# Altium PCB mach PCB.PcbDoc (part 3 of 6)
Units mm, origin at the board's own origin, x right, y up, seen from the top; angles counter-clockwise.
Board outline 300.6 x 300.64 mm, 2 copper layers (Top Layer, Bottom Layer); 688 components, 737 nets, 3205 pads, 25 vias.
Unrouted connection lines stored in the file: 1.
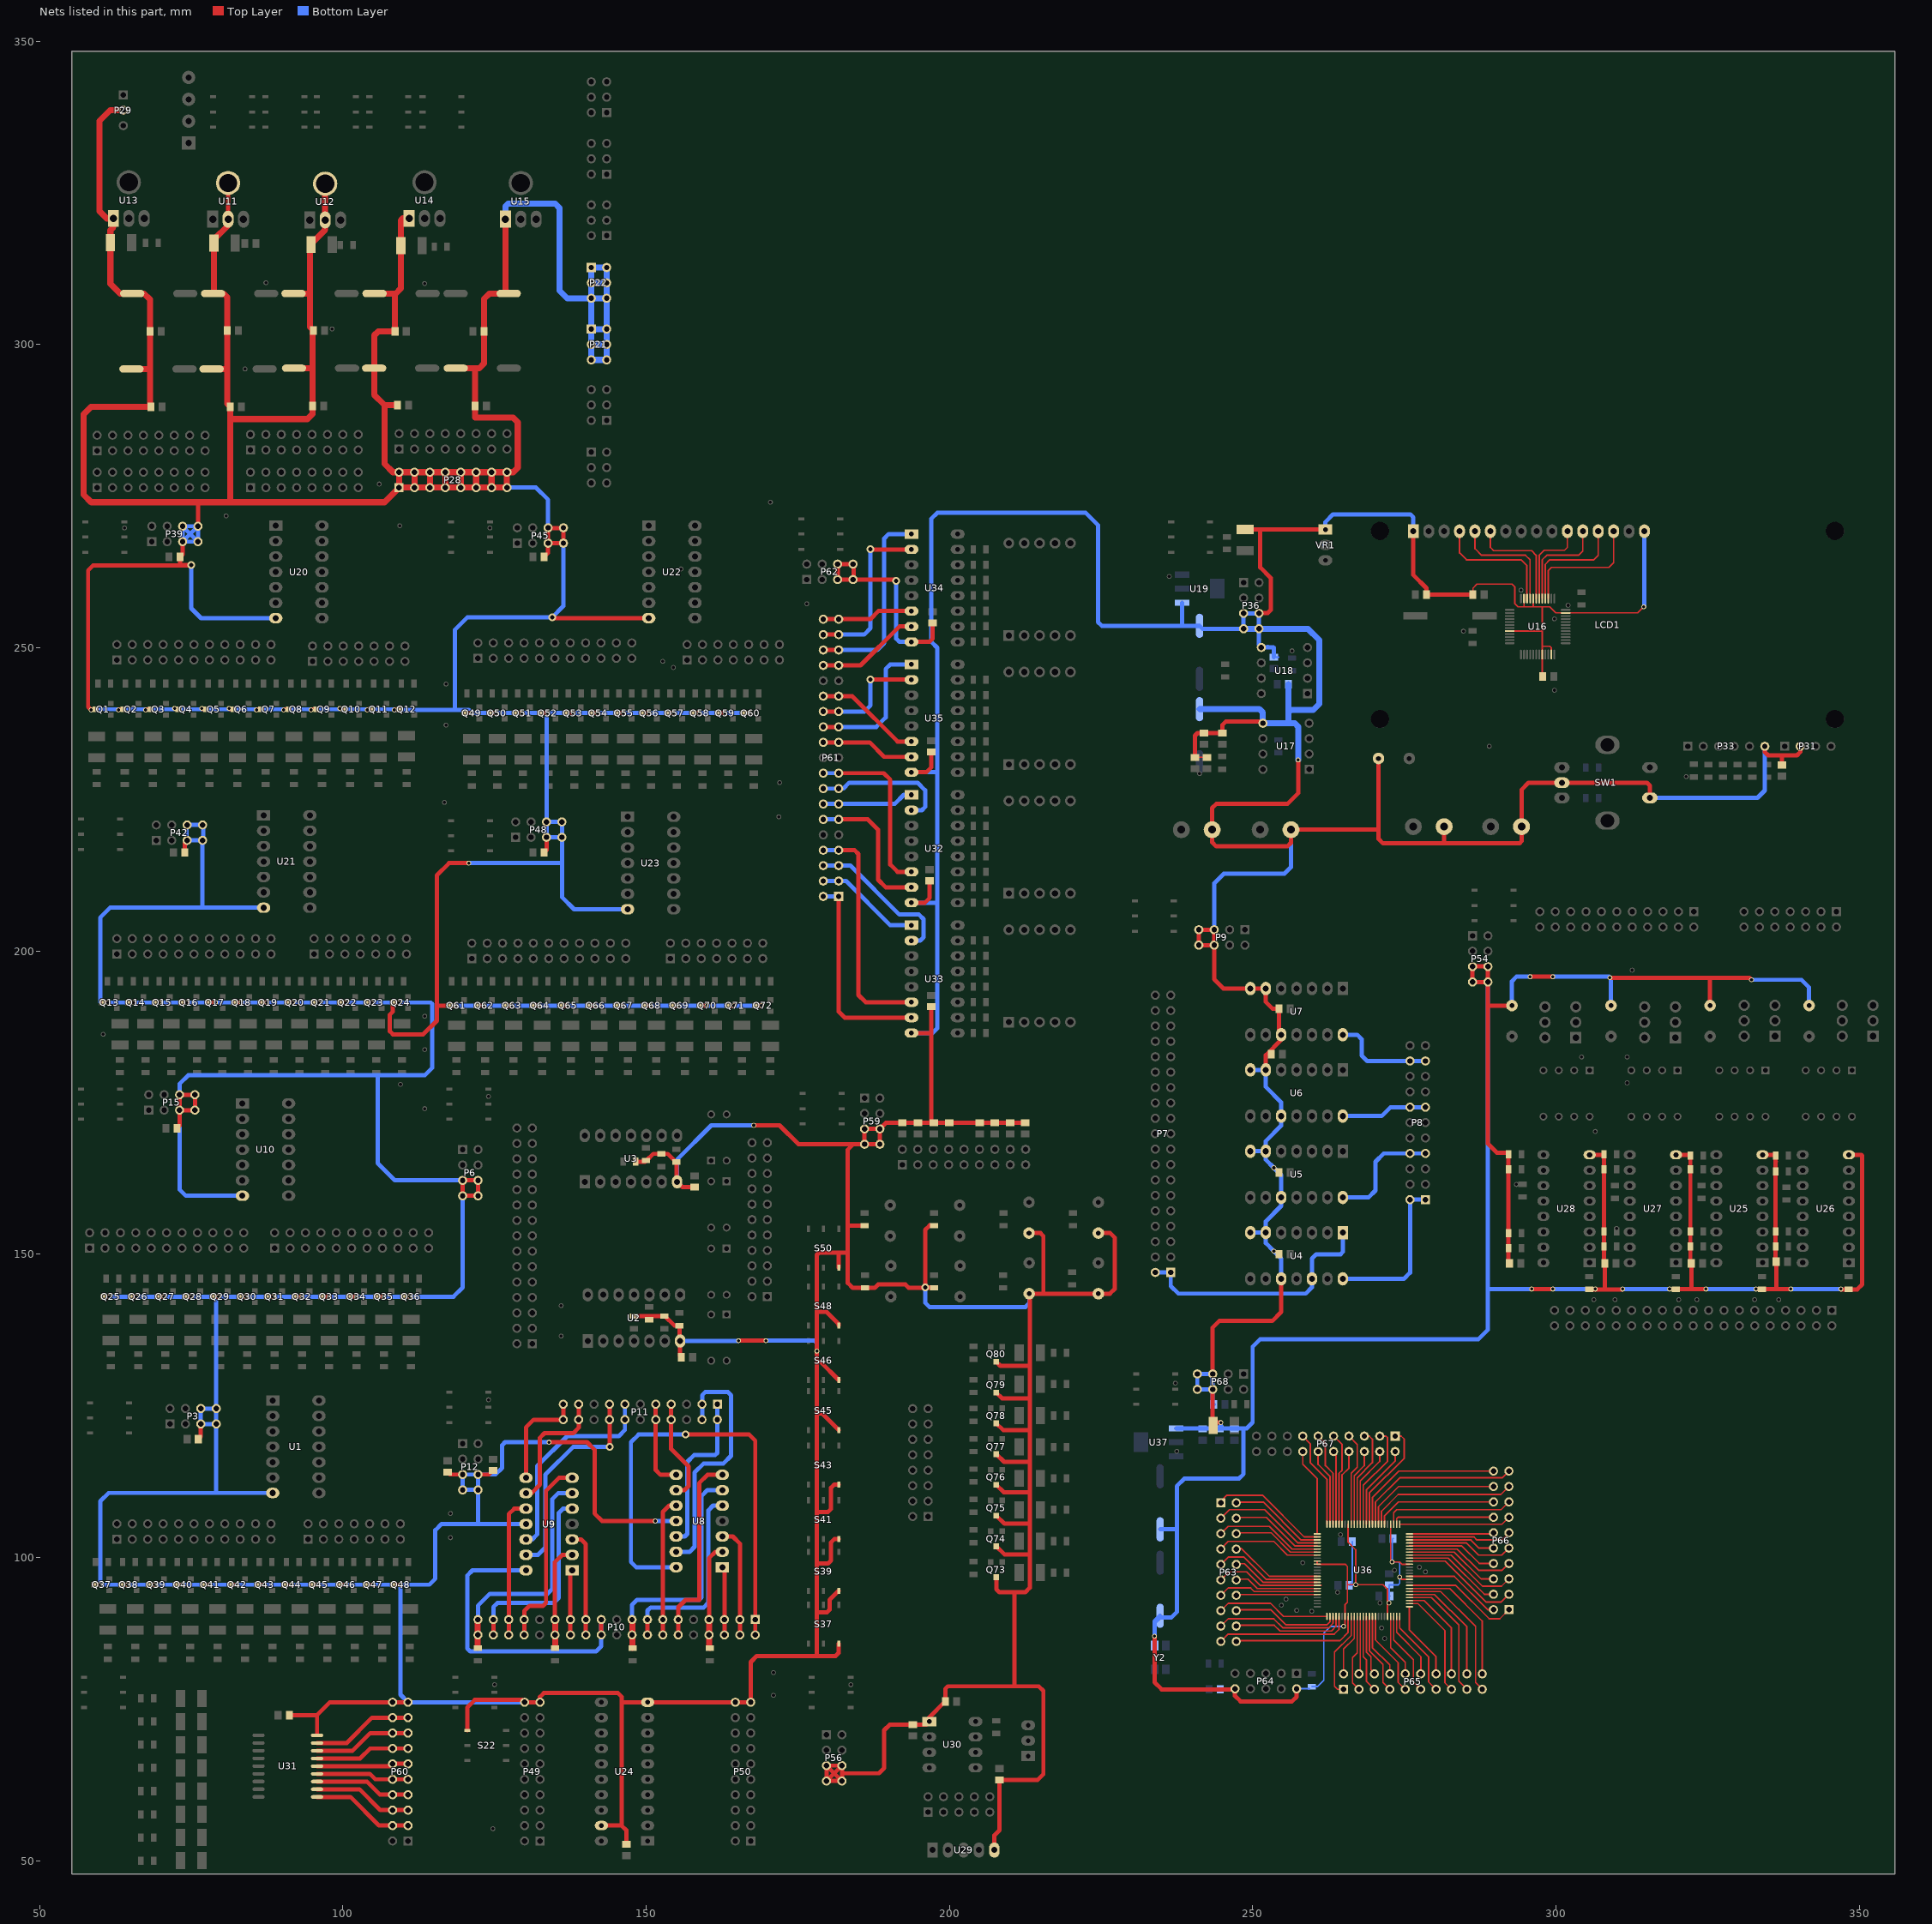
[diagram p3: the nets of this part, all layers, seen from the top]

## Via types
v1: diameter 1.27, hole 0.711, Top Layer to Bottom Layer, 25 vias

## Nets (pads, with @x,y where several pads share a name; then routed paths per layer and width w, separated by ;. In a path a pad name is that pad's centre, name@x,y a point inside that pad or via, vN(x,y) a via of type N, cw(c..) or ccw(c..) an arc to the next point about the centre after c; other vN are vias at no path point) (continued)
GND: C1.2 C2.2 C3.2 C4.2 C5.2 C6.2 C7.2 C8.2 C9.2 C10.2 C11.2 C12.2 C13.2 C14.2 C15.1 C16.1 C17.1 C18.1 C19.1 C20.1 C21.1 C22.1 C23.1 C24.1 C25.1 C26.1 C27.1 C28.2 C29.2 C30.1 C31.1 C32.1 C33.1 C34.1 C35.1 C36.1 C37.1 C38.1 C39.1 C40.2 C41.2 C42.1 C43.2 C44.2 C45.2 C46.2 C47.2 C48.2 C49.2 C50.2 C51.2 C52.1 C53.1 C54.1 C55.1 C56.1 C57.1 C58.1 C59.1 C60.1 C61.1 C62.1 C63.2 C64.2 C65.2 C66.2 C67.2 C68.2 C69.2 C70.2 C71.2 C72.2 C73.2 C74.2 C75.2 C76.1 C77.2 C78.2 C79.1 D2.2 D3.2 D4.1 D5.1 D6.2 D95.2 LCD1.1 LCD1.16 P3.5 P3.6 P3.7 P3.8 P6.5 P6.6 P6.7 P6.8 P9.5 P9.6 P9.7 P9.8 P12.5 P12.6 P12.7 P12.8 P15.5 P15.6 P15.7 P15.8 P21.1 P21.2 P21.3 P21.4 P21.5 P21.6 P22.1 P22.2 P22.3 P22.4 P22.5 P22.6 P28.1 P28.2 P28.3 P28.4 P28.5 P28.6 P28.7 P28.8 P28.9 P28.10 P28.11 P28.12 P28.13 P28.14 P28.15 P28.16 P29.2 P30.2 P31.2 P32.2 P33.6 P34.2 P35.2 P36.5 P36.6 P36.7 P36.8 P39.5 P39.6 P39.7 P39.8 P42.5 P42.6 P42.7 P42.8 P45.5 P45.6 P45.7 P45.8 P48.5 P48.6 P48.7 P48.8 P49.19 P49.20 P50.19 P50.20 P54.5 P54.6 P54.7 P54.8 P56.5 P56.6 P56.7 P56.8 P59.5 P59.6 P59.7 P59.8 P60.19 P60.20 P62.5 P62.6 P62.7 P62.8 P64.2 P64.10 P68.5 P68.6 P68.7 P68.8 pad.0@58.5,239.75 pad.0@167,239.25 pad.0@267,95.5 pad.0@273,99.25 pad.0@299.5,195.75 pad.1@63,239.75 pad.1@121.25,239.25 pad.1@274.25,96.75 pad.1@295.75,195.75 pad.2@67.5,239.75 pad.2@125.25,239.25 pad.2@308.917,195.583 pad.3@72.25,240 pad.3@129.5,239.25 pad.3@332.25,195.25 pad.4@76.75,240 pad.4@133.75,239.25 pad.4@272.5,92.5 pad.5@81.25,240 pad.5@138,239.25 pad.6@85.75,239.75 pad.6@142,239.25 pad.7@90.25,239.75 pad.7@146.25,239.25 pad.8@94.75,239.75 pad.8@150.5,239.25 pad.9 pad.10@104,239.75 pad.10@158.75,239.25 pad.10@265,88.63 pad.11@108.5,239.75 pad.11@163,239.25 pad.13@61.25,191.5 pad.14@65.5,191.5 pad.15 pad.16 pad.17 pad.18 pad.19 pad.20 pad.21 pad.22 pad.23 pad.24@109.25,191.5 pad.24@155.25,191 pad.25@111,143 pad.25@160,191 pad.26@106.75,143 pad.26@164.5,191 pad.27@102.25,143 pad.27@253.5,150.5 pad.28 pad.29 pad.30 pad.31@84,143 pad.32@79.5,143 pad.33@75,143 pad.34@70.5,143 pad.35@66,143 pad.36@61.5,143 pad.38@109.5,95.5 pad.39@105,95.5 pad.40@100.5,95.5 pad.41 pad.42 pad.43 pad.44@82.5,95.5 pad.45@78,95.5 pad.46 pad.47@69,95.5 pad.48@64.5,95.5 pad.49 pad.62 pad.71 pad.75 pad.81 pad.82 pad.83 Q1.2 Q2.2 Q3.2 Q4.2 Q5.2 Q6.2 Q7.2 Q8.2 Q9.2 Q10.2 Q11.2 Q12.2 Q13.2 Q14.2 Q15.2 Q16.2 Q17.2 Q18.2 Q19.2 Q20.2 Q21.2 Q22.2 Q23.2 Q24.2 Q25.2 Q26.2 Q27.2 Q28.2 Q29.2 Q30.2 Q31.2 Q32.2 Q33.2 Q34.2 Q35.2 Q36.2 Q37.2 Q38.2 Q39.2 Q40.2 Q41.2 Q42.2 Q43.2 Q44.2 Q45.2 Q46.2 Q47.2 Q48.2 Q49.2 Q50.2 Q51.2 Q52.2 Q53.2 Q54.2 Q55.2 Q56.2 Q57.2 Q58.2 Q59.2 Q60.2 Q61.2 Q62.2 Q63.2 Q64.2 Q65.2 Q66.2 Q67.2 Q68.2 Q69.2 Q70.2 Q71.2 Q72.2 Q73.2 Q74.2 Q75.2 Q76.2 Q77.2 Q78.2 Q79.2 Q80.2 R1.1 R2.1 R3.1 R4.1 R5.1 R6.1 R7.1 R8.1 R178.1 R179.1 R180.1 R181.1 R182.1 R183.1 R184.1 R185.1 R186.1 R187.1 R190.1 R191.1 R192.1 R193.1 R194.1 R195.1 R196.1 R197.1 R198.1 R199.1 R201.1 R202.1 R203.1 R204.1 R262.2 S15.1 S22.1 S25.1 S26.1 S31.1 S32.1 S37.3 S39.3 S41.3 S43.3 S45.3 S46.3 S47.2 S48.3 S49.2 S50.3 S51.2 S52.2 SW1.2 SW1.4 U1.7 U2.7 U3.7 U4.6 U4.7 U4.10 U5.6 U5.7 U5.10 U6.6 U6.7 U6.10 U7.6 U7.7 U7.10 U8.11 U9.11 U10.7 U11.2 U12.2 U13.1 U14.1 U15.1 U16.8 U16.20 U16.23 U16.35 U16.44 U16.47 U17.5 U18.5 U19.1 U20.7 U21.7 U22.7 U23.7 U24.10 U24.19 U25.8 U26.8 U27.8 U28.8 U29.5 U30.1 U31.9 U32.8 U33.8 U34.8 U35.8 U36.10 U36.11 U36.32 U36.46 U36.60 U36.65 U36.79 U36.93 U37.1 VR1.1 Y2.2 | length 3713
  Top Layer w0.254: C42.1@240.5,231.925 C31.1@242.5,231.925 ; D95.2@243.42,121.83 D95.2@243.42,122.5 ; P36.8@251.04,252.63 P36.8@251.04,253.13 ; pad.71@257.5,231.5 pad.71@257.5,231.75 ; U36.10@260.65,99.38 U36.11@260.65,98.88 265.25,98.88 265.62,98.51 265.62,95.5 ; pad.10@265,88.63 265.25,88.88 U36.32@265.25,90.28 265.25,92.25 265.62,92.62 265.62,95.5 ; U36.93@265.75,105.48 265.75,102.5 267,101.25 pad.0@267,95.5 ; U36.46@272.25,90.28 272.25,94.75 271.5,95.5 pad.0@267,95.5 ; U36.79@272.75,105.48 272.75,99.5 pad.0@273,99.25 274.25,99.25 274.62,98.88 U36.65@275.85,98.88 ; pad.1@274.25,96.75 274.62,96.38 U36.60@275.85,96.38 ; 276.5,265 LCD1.1@276.5,269.22 ; C37.1@286.325,258.75 286.325,259.825 287,260.5 292.75,260.5 293.25,260 293.25,257.25 293.75,256.75 294.75,256.75 ; U16.8@292.384,252.75 297.75,252.75 ; U16.47@294.75,258.116 294.75,256.75 ; U16.44@296.25,258.116 296.25,256.75 ; C32.1@297.825,245.25 297.75,245.325 U16.20@297.75,248.884 297.75,250.25 ; U16.23@299.25,248.884 299.25,250 299,250.25 297.75,250.25 ; pad.75@314.5,256.75 313.5,255.75 U16.35@301.616,255.75 300,255.75 299,256.75 297.75,256.75 ; 265.62,95.5 pad.0@267,95.5 ; 294.75,256.75 296.25,256.75 ; 296.25,256.75 297.75,256.75 ; 297.75,250.25 297.75,252.75 ; 297.75,252.75 297.75,255.75 297.75,256.75
  Top Layer w0.7: Q37.2@59,95.5 pad.49@60,95.5 ; Q1.2@59.25,239.859 58.391,239.859 58,240.25 58,262.75 58.8,263.55 74.895,263.55 v1(75,263.655) 73.345,263.655 73.175,263.825 C43.2@73.175,265 73.58,265.405 P39.5@73.58,267.5 ; Q13.2@60.25,191.5 pad.13@61.25,191.5 ; Q25.2@60.5,143 pad.36@61.5,143 ; pad.1@63,239.75 63.109,239.859 Q2.2@63.795,239.859 ; Q38.2@63.477,95.5 pad.48@64.5,95.5 ; Q14.2@64.614,191.5 pad.14@65.5,191.5 ; Q26.2@65,143 pad.35@66,143 ; pad.2@67.5,239.75 67.609,239.859 Q3.2@68.341,239.859 ; Q39.2@68,95.5 pad.47@69,95.5 ; Q15.2@68.977,191.5 pad.15@69.75,191.5 ; Q27.2@69.5,143 pad.34@70.5,143 ; pad.3@72.25,240 72.391,239.859 Q4.2@72.886,239.859 ; Q40.2@72.432,95.5 pad.46@73.5,95.5 ; C10.2@72.675,170.75 73.08,171.155 P15.5@73.08,173.75 ; Q16.2@73.341,191.5 pad.16@74.25,191.5 ; C44.2@73.925,216.25 73.925,217.845 P42.5@74.33,218.25 ; Q28.2@74,143 pad.33@75,143 ; 76,273.999 76.12,273.879 P39.8@76.12,270.04 ; C1.2@76.175,119.5 76.58,119.905 P3.5@76.58,122 ; pad.4@76.75,240 76.891,239.859 Q5.2@77.432,239.859 ; Q41.2@76.909,95.5 pad.45@78,95.5 ; Q17.2@77.705,191.5 pad.17@79,191.5 ; Q29.2@78.5,143 pad.32@79.5,143 ; U11.2@81.084,320.671 U11.2@81.084,326.64 ; pad.5@81.25,240 81.391,239.859 Q6.2@81.977,239.859 ; Q42.2@81.386,95.5 pad.44@82.5,95.5 ; Q18.2@82.068,191.5 pad.18@83.25,191.5 ; Q30.2@83,143 pad.31@84,143 ; pad.6@85.75,239.75 85.859,239.859 Q7.2@86.523,239.859 ; Q43.2@85.864,95.5 pad.43@87,95.5 ; Q19.2@86.432,191.5 pad.19@87.5,191.5 ; Q31.2@87.5,143 pad.30@88.5,143 ; pad.7@90.25,239.75 90.359,239.859 Q8.2@91.068,239.859 ; Q44.2@90.341,95.5 pad.42@91.5,95.5 ; Q20.2@90.795,191.5 pad.20@91.75,191.5 ; C63.2@91.175,74 95.75,74 ; Q32.2@92,143 pad.29@93.25,143 ; pad.8@94.75,239.75 94.859,239.859 Q9.2@95.614,239.859 ; Q45.2@94.818,95.5 pad.41@95.75,95.5 ; Q21.2@95.159,191.5 pad.21@96,191.5 ; U31.9@95.75,70.75 95.75,74 ; Q33.2@96.5,143 pad.28@97.75,143 ; Q46.2@99.295,95.5 pad.40@100.5,95.5 ; pad.9@99.5,240 99.641,239.859 Q10.2@100.159,239.859 ; Q22.2@99.523,191.5 pad.22@100.5,191.5 ; Q34.2@101,143 pad.27@102.25,143 ; Q47.2@103.773,95.5 pad.39@105,95.5 ; Q23.2@103.886,191.5 pad.23@104.75,191.5 ; pad.10@104,239.75 104.109,239.859 Q11.2@104.705,239.859 ; Q35.2@105.5,143 pad.26@106.75,143 ; Q48.2@108.25,95.5 pad.38@109.5,95.5 ; pad.11@108.5,239.75 108.609,239.859 Q12.2@109.25,239.859 ; pad.24@109.25,191.5 Q24.2@108.25,191.5 108.25,190 107.75,189.5 107.75,186.75 108.25,186.25 113.25,186.25 115.5,188.5 115.5,190.75 ; Q36.2@110,143 pad.25@111,143 ; P60.19@110.75,76.11 P60.20@108.21,76.11 97.86,76.11 95.75,74 ; C9.2@117.25,114.075 117.655,113.67 P12.5@119.75,113.67 ; pad.16@118.5,191 Q61.2@117.5,191 115.75,191 115.5,190.75 ; P6.5@119.75,162.17 P6.7@119.75,159.63 P6.8@122.29,159.63 P6.6@122.29,162.17 119.83,162.17 P6.5@119.75,162.25 ; Q49.2@120,239.25 pad.1@121.25,239.25 ; S22.1@120.504,71.5 120.504,75.254 121.75,76.5 129.57,76.5 P49.20@129.96,76.11 P49.19@132.5,76.11 132.5,77 133.122,77.622 145.378,77.622 145.96,77.04 145.96,75.97 ; pad.83@120.75,214.5 117.5,214.5 115.5,212.5 115.5,190.75 ; Q62.2@122.091,191 pad.17@123.25,191 ; P12.6@122.29,113.67 124.095,113.67 C8.2@124.75,114.325 ; Q50.2@124.182,239.25 pad.2@125.25,239.25 ; Q63.2@126.682,191 pad.18@127.75,191 ; Q51.2@128.364,239.25 pad.3@129.5,239.25 ; Q64.2@131.273,191 pad.19@132.25,191 ; Q52.2@132.545,239.25 pad.4@133.75,239.25 ; C46.2@133.175,216.25 133.58,216.655 P48.5@133.58,218.75 ; C45.2@133.175,265 133.83,265.655 P45.5@133.83,267.25 ; pad.29@134,119 140.25,119 141.5,117.75 141.5,107.25 142.75,106 pad.28@151.5,106 ; v1(134.5,255) 134.62,254.88 U22.7@150.44,254.88 ; Q65.2@135.864,191 pad.20@137,191 ; Q53.2@136.727,239.25 pad.5@138,239.25 ; Q66.2@140.455,191 pad.21@141.5,191 ; Q54.2@140.909,239.25 pad.6@142,239.25 ; U24.19@142.63,55.79 145.96,55.79 ; Q67.2@145.045,191 pad.22@146,191 ; Q55.2@145.091,239.25 pad.7@146.25,239.25 ; C47.2@146.75,52.675 146.75,55 145.96,55.79 ; R1.1@148,139.8 150.5,139.8 ; R5.1@148.3,165.25 149.8,165.25 R7.1@150,165.45 150.086,165.45 151.186,166.55 R6.1@152.5,166.55 153.564,166.55 154.914,165.2 R8.1@155,165.2 155,162.06 U3.7@155.12,161.94 155.985,161.075 C3.2@158,161.075 ; Q56.2@149.273,239.25 pad.8@150.5,239.25 ; Q68.2@149.636,191 pad.23@150.75,191 ; R3.1@150.5,139.2 150.5,139.8 ; Q57.2@153.455,239.25 pad.9@154.5,239.25 ; Q69.2@154.227,191 pad.24@155.25,191 ; C2.2@155.825,133 155.62,133.205 U2.7@155.62,135.69 155.5,135.81 R4.1@155.5,138.2 154.686,138.2 153.086,139.8 R2.1@153,139.8 150.5,139.8 ; Q58.2@157.636,239.25 pad.10@158.75,239.25 ; Q70.2@158.818,191 pad.25@160,191 ; Q59.2@161.818,239.25 pad.11@163,239.25 ; Q71.2@163.409,191 pad.26@164.5,191 ; pad.41@165.25,135.75 pad.43@169.75,135.75 ; Q60.2@166,239.25 pad.0@167,239.25 ; pad.62@167.75,171.25 172,171.25 175.12,168.13 184.13,168.13 ; Q72.2@168,191 pad.15@169,191 ; P56.5@179.75,65.67 P56.7@179.75,63.13 ; S37.3@181.75,85.754 181.75,84.25 181.25,83.75 178.25,83.75 ; S39.3@181.75,94.504 181.75,94.5 180.25,93 180.25,91.37 179.811,90.93 178.33,90.93 178.15,90.75 ; S41.3@181.75,103.004 181.004,103.004 180.5,102.5 180.5,99.5 180,99 178.15,99 ; S43.3@181.75,112.004 181.004,112.004 180.5,111.5 180.5,108 180,107.5 178.15,107.5 ; S45.3@181.75,121.004 179.004,123.75 178.15,123.75 ; S46.3@181.75,129.254 178.754,132.25 178.15,132.25 ; S48.3@181.75,138.254 181.75,138.5 179.75,140.5 178.15,140.5 ; S50.3@181.75,147.754 181.75,150.25 ; P62.8@184.12,263.79 P62.6@181.58,263.79 P62.5@181.58,261.25 P62.7@184.12,261.25 ; P62.8@184.25,264 184.25,261.38 P62.7@184.12,261.25 ; R201.1@186,154.7 183.45,154.7 183.25,154.5 ; v1(191.25,261) 191,261.25 P62.7@184.12,261.25 ; U33.8@193.75,186.47 197,186.47 ; U32.8@193.75,207.97 195.97,207.97 196.75,208.75 C66.2@196.75,211.575 ; U35.8@193.75,229.47 196.22,229.47 197,230.25 C64.2@197,232.825 ; U34.8@193.75,250.97 196.72,250.97 197.25,251.5 C65.2@197.25,254.075 ; C67.2@197,190.825 197,186.47 ; R203.1@197.464,154.7 196.8,154.7 196.75,154.75 196,154 v1(196,144.5) 197.438,144.5 R204.1@197.488,144.45 193.3,144.45 192.75,145 188.25,145 187.7,144.45 R202.1@186.107,144.45 184.05,144.45 183.25,145.25 183.25,150.25 ; U29.5@207.66,52 U29.5@207.41,51.75 207.41,54.16 208.25,55 C53.1@208.25,63.325 214.575,63.325 215.5,64.25 215.5,78 214.75,78.75 210.75,78.75 ; Q73.2@207.75,96.75 207.75,94.75 208.25,94.25 211,94.25 ; Q74.2@207.75,101.821 209.071,100.5 213.25,100.5 ; Q75.2@207.75,106.893 209.096,105.546 213.204,105.546 213.25,105.5 ; Q76.2@207.75,111.964 208.964,110.75 213.25,110.75 ; Q77.2@207.75,117.036 209.036,115.75 213.25,115.75 ; Q78.2@207.75,122.107 208.857,121 213.25,121 ; Q79.2@207.75,127.179 208.679,126.25 213.25,126.25 ; Q80.2@207.75,132.25 208.4,131.6 213.1,131.6 213.25,131.75 ; C62.1@212.5,171.675 C61.1@210,171.675 C60.1@207.5,171.675 C59.1@205,171.675 C58.1@200,171.675 C57.1@197.417,171.675 ; S47.2@213.131,153.483 215.017,153.483 215.5,153 215.5,143.483 ; S51.2@224.571,153.483 226.517,153.483 227.25,152.75 227.25,144.25 226.483,143.483 S52.2@224.571,143.483 215.5,143.483 ; pad.81@233.828,87 233.828,79.422 235,78.25 247,78.25 P64.10@247.09,78.34 247.09,77.16 248,76.25 256.5,76.25 257.25,77 P64.2@257.25,78.34 ; C42.1@240.5,231.925 240.5,235.5 240.925,235.925 C34.1@242,235.925 C36.1@245,235.925 245,237.25 245.56,237.81 251.44,237.81 U17.5@251.69,237.56 ; D95.2@243.42,122.5 P68.6@243.42,127.71 ; P68.5@243.42,130.25 243.42,137.92 244.5,139 253.25,139 254.71,140.46 U4.10@254.71,145.94 ; D95.2@243.5,121.75 244,122.25 pad.82@244.75,122.25 ; D6.2@248.75,269.5 251.25,269.5 ; P36.6@251.04,255.75 252.5,255.75 253,256.25 253,261.5 251.25,263.25 251.25,269.5 ; U6.6@252.17,180.393 252.17,182.831 254.71,185.371 U7.10@254.71,186.19 254.325,186.575 C6.2@254.325,190.5 253.25,190.5 252.17,191.58 U7.6@252.17,193.81 U7.7@249.63,193.81 245.19,193.81 243.67,195.33 P9.6@243.67,200.96 ; pad.71@257.5,231.5 257.5,226 255.75,224.25 244,224.25 243.33,223.58 P34.2@243.33,220 243.33,217.92 244,217.25 255.75,217.25 256.33,217.83 P35.2@256.33,220 270.75,220 ; VR1.1@262,269.5 251.25,269.5 ; S15.1@270.75,231.75 270.75,220 ; LCD1.1@276.5,269.22 276.5,262 278.675,259.825 C38.1@278.675,258.75 C37.1@286.325,258.75 ; P30.2@281.58,220.5 281.58,217.92 281.75,217.75 ; P54.5@286.25,197.42 P54.7@286.25,194.88 P54.8@288.79,194.88 ; P54.5@286.5,197.5 288.71,197.5 P54.6@288.79,197.42 P54.8@288.79,194.88 ; C51.2@292.35,148.5 292.2,148.65 R195.1@292.2,150.98 R199.1@292.2,153.5 R197.1@292.2,164 R198.1@292.2,166.5 291.95,166.75 290.25,166.75 288.79,168.21 288.79,191 ; S32.1@292.75,191 288.79,191 ; pad.1@295.75,195.75 pad.0@299.5,195.75 ; pad.21@296,144.25 pad.22@299.5,144.25 ; R196.1@305.5,144.2 308,144.2 ; U28.8@305.562,166.383 307.808,166.383 R193.1@307.925,166.5 R192.1@307.925,164 R194.1@307.925,153.75 R190.1@307.925,151.25 307.925,148.65 C50.2@308.075,148.5 308.075,144.275 308,144.2 ; pad.2@308.917,195.583 325.5,195.583 ; pad.15@311,144.25 310.95,144.2 308,144.2 ; SW1.4@315.5,225.25 315.5,227.25 315,227.75 SW1.2@301,227.75 295.5,227.75 294.33,226.58 P32.2@294.33,220.5 294.33,218.08 294,217.75 281.75,217.75 ; R191.1@319.75,144.2 319.8,144.25 322.25,144.25 ; U27.8@319.812,166.383 322.042,166.383 R181.1@322.175,166.25 R180.1@322.175,164 R182.1@322.175,153.75 R178.1@322.175,151.25 322.175,148.65 C48.2@322.325,148.5 322.325,144.325 322.25,144.25 ; pad.19@324.75,144.25 322.25,144.25 ; S25.1@325.417,191 325.417,195.5 325.5,195.583 ; pad.3@332.25,195.25 331.917,195.583 325.5,195.583 ; pad.17@333,144.25 pad.20@338.75,144.25 ; U25.8@334.062,166.383 336.092,166.383 R186.1@336.225,166.25 336.225,165.25 ; P33.6@334.45,233.75 334.45,232.8 335,232.25 337.25,232.25 ; 336.25,165.275 336.225,165.25 ; 336.325,144.325 C49.2@336.325,148.75 336.225,148.85 R183.1@336.225,151.27 R187.1@336.225,153.75 R185.1@336.225,163.625 336.225,165.25 ; C33.1@337.25,230.675 337.25,232.25 ; P31.2@340.29,233.75 340.29,232.79 339.75,232.25 337.25,232.25 ; pad.18@347,144.25 347.05,144.2 R184.1@348.25,144.2 349.7,144.2 350.5,145 350.5,166.25 350.367,166.383 U26.8@348.312,166.383 ; P15.5@73.08,173.75 P15.7@75.62,173.75 P15.8@75.62,176.29 P15.6@73.08,176.29 P15.5@73.08,173.75 ; P45.5@133.83,267.25 P45.7@136.37,267.25 136.37,269.75 133.87,269.75 P45.6@133.83,269.79 P45.5@133.83,267.25 ; 145.96,55.79 145.96,75.97 ; 145.96,75.97 146.1,76.11 U24.10@150.25,76.11 P50.20@164.71,76.11 P50.19@167.25,76.11 167.25,82.75 168.25,83.75 178.25,83.75 ; 178.15,90.75 178.15,83.85 178.25,83.75 ; 178.15,90.75 178.15,99 ; 178.15,99 178.15,107.5 ; 178.15,107.5 178.15,123.75 ; 178.15,123.75 178.15,132.25 ; 178.15,132.25 pad.42@178.15,134 178.15,140.5 ; 178.15,140.5 178.15,149.9 178.5,150.25 181.75,150.25 ; P56.7@179.75,63.13 P56.8@182.29,63.13 ; P56.7@179.75,63.13 181.02,64.4 ; 181.02,64.4 P56.6@182.29,65.67 ; 181.02,64.4 P56.8@182.29,63.13 ; 181.02,64.4 180.08,65.34 180.08,65.67 P56.6@182.29,65.67 ; 181.75,150.25 183.25,150.25 ; P56.8@182.29,63.13 182.29,64.4 ; 182.29,64.4 188.4,64.4 189.25,65.25 189.25,71.5 190.175,72.425 C52.1@194,72.425 196.182,72.425 U30.1@196.69,72.933 196.69,73.615 C54.1@199.325,76.25 199.325,78.325 199.75,78.75 210.75,78.75 ; 182.29,64.4 P56.6@182.29,65.67 ; 183.25,150.25 183.25,154.5 ; 183.25,154.5 183.25,167.25 184.13,168.13 ; 184.13,168.13 P59.7@186,168.13 ; P59.7@186,168.13 P59.8@188.54,168.13 P59.6@188.54,170.67 ; P59.7@186,168.13 P59.5@186,170.67 P59.6@188.54,170.67 ; P59.6@188.54,170.67 189.545,171.675 C55.1@192.25,171.675 C56.1@194.833,171.675 C57.1@197.417,171.675 ; 197,186.47 197,172.092 C57.1@197.417,171.675 ; 210.75,78.75 210.75,94 211,94.25 ; 211,94.25 212.5,94.25 213.25,95 213.25,100.5 ; 213.25,100.5 213.25,105.5 ; 213.25,105.5 213.25,110.75 ; 213.25,110.75 213.25,115.75 ; 213.25,115.75 213.25,121 ; 213.25,121 213.25,126.25 ; 213.25,126.25 213.25,131.75 ; 213.25,131.75 213.25,143.4 S49.2@213.167,143.483 215.5,143.483 ; P9.6@243.67,200.96 P9.8@241.13,200.96 P9.7@241.13,203.5 P9.5@243.67,203.5 P9.6@243.67,200.96 ; 270.75,220 270.75,218.5 271.5,217.75 281.75,217.75 ; 288.79,191 P54.8@288.79,194.88
  Top Layer w1: P29.2@63.812,338.642 61.653,338.642 59.875,336.864 59.875,322.005 61.082,320.798 U13.1@62.161,320.798 62.161,319.338 61.681,318.858 D4.1@61.681,316.798 61.681,310.039 63.304,308.416 C11.2@65.28,308.416 67.241,308.416 68.221,307.436 C15.1@68.221,302.193 68.221,296 ; C21.1@65.153,295.97 68.191,295.97 68.221,296 ; C13.2@78.361,295.97 80.703,295.97 80.921,296.188 ; D2.2@78.723,317.277 81.084,319.639 U11.2@81.084,320.671 ; D2.2@78.75,316.671 78.75,308.551 C19.1@78.615,308.416 80.334,308.416 80.921,307.829 C20.1@80.921,302.32 80.921,296.188 ; C12.2@91.874,308.416 94.038,308.416 ; C14.2@91.95,296.097 94.8,296.097 95.018,295.879 ; C16.1@95.145,302.32 C16.1@95.018,302.447 ; U12.2@97.086,326.513 U12.2@97.086,320.544 97.086,318.929 94.574,316.417 94.574,302.891 C16.1@95.018,302.447 ; C22.1@105.234,308.416 108.698,308.416 ; C30.1@108.988,290.001 106.865,290.001 ; U14.1@110.929,320.798 109.85,320.798 109.56,320.509 D5.1@109.56,316.29 109.56,309.278 108.698,308.416 ; C29.2@118.62,296.097 121.724,296.097 ; U15.1@126.804,320.671 126.804,308.955 C25.1@127.01,308.749 ; C25.1@127.343,308.416 124.166,308.416 123.284,307.534 C24.1@123.284,302.193 123.284,296.895 122.486,296.097 121.724,296.097 ; 68.221,296 68.221,289.874 C26.1@68.348,289.747 58.497,289.747 57.25,288.5 57.25,275.25 58.501,273.999 76,273.999 81.774,273.999 ; 80.921,296.188 80.921,290.255 C17.1@81.429,289.747 81.429,287.715 ; 81.429,287.715 81.429,274.344 81.774,273.999 ; 81.429,287.715 94.165,287.715 95.018,288.568 C18.1@95.018,289.874 95.018,295.879 ; 81.774,273.999 106.865,273.999 P28.1@109.278,276.412 ; 95.018,295.879 C16.1@95.018,302.447 ; 106.865,290.001 105.158,291.708 C28.2@105.158,296.097 105.158,301.502 105.849,302.193 C23.1@108.607,302.193 108.607,308.325 108.698,308.416 ; 106.865,290.001 106.865,280.349 108.262,278.952 P28.2@109.278,278.952 ; P28.1@109.278,276.412 P28.3@111.818,276.412 ; P28.1@109.278,276.412 P28.2@109.278,278.952 ; P28.2@109.278,278.952 P28.4@111.818,278.952 ; P28.3@111.818,276.412 P28.5@114.358,276.412 ; P28.3@111.818,276.412 P28.4@111.818,278.952 ; P28.4@111.818,278.952 P28.6@114.358,278.952 ; P28.5@114.358,276.412 P28.7@116.898,276.412 ; P28.5@114.358,276.412 P28.6@114.358,278.952 ; P28.6@114.358,278.952 P28.8@116.898,278.952 ; P28.7@116.898,276.412 P28.9@119.438,276.412 ; P28.7@116.898,276.412 P28.8@116.898,278.952 ; P28.8@116.898,278.952 P28.10@119.438,278.952 ; P28.9@119.438,276.412 P28.11@121.978,276.412 ; P28.9@119.438,276.412 P28.10@119.438,278.952 ; P28.10@119.438,278.952 P28.12@121.978,278.952 ; 121.724,296.097 121.815,296.006 C27.1@121.815,289.874 121.815,287.933 128.11,287.933 128.836,287.207 128.836,279.714 128.074,278.952 P28.16@127.058,278.952 ; P28.11@121.978,276.412 P28.13@124.518,276.412 ; P28.11@121.978,276.412 P28.12@121.978,278.952 ; P28.12@121.978,278.952 P28.14@124.518,278.952 ; P28.13@124.518,276.412 P28.15@127.058,276.412 P28.16@127.058,278.952 ; P28.13@124.518,276.412 P28.14@124.518,278.952 ; P28.14@124.518,278.952 P28.16@127.058,278.952